# Altium PCB PicoPrint-Alt1.PcbDoc (part 2 of 3)
Units mm, origin at the board's own origin, x right, y up, seen from the top; angles counter-clockwise.
Board outline 111 x 64 mm, 4 copper layers (Component Side, Ground Plane, Power Plane, Solder Side), stack 0.844 mm thick; 229 components, 197 nets, 1693 pads, 420 vias.
Unrouted connection lines stored in the file: 278.
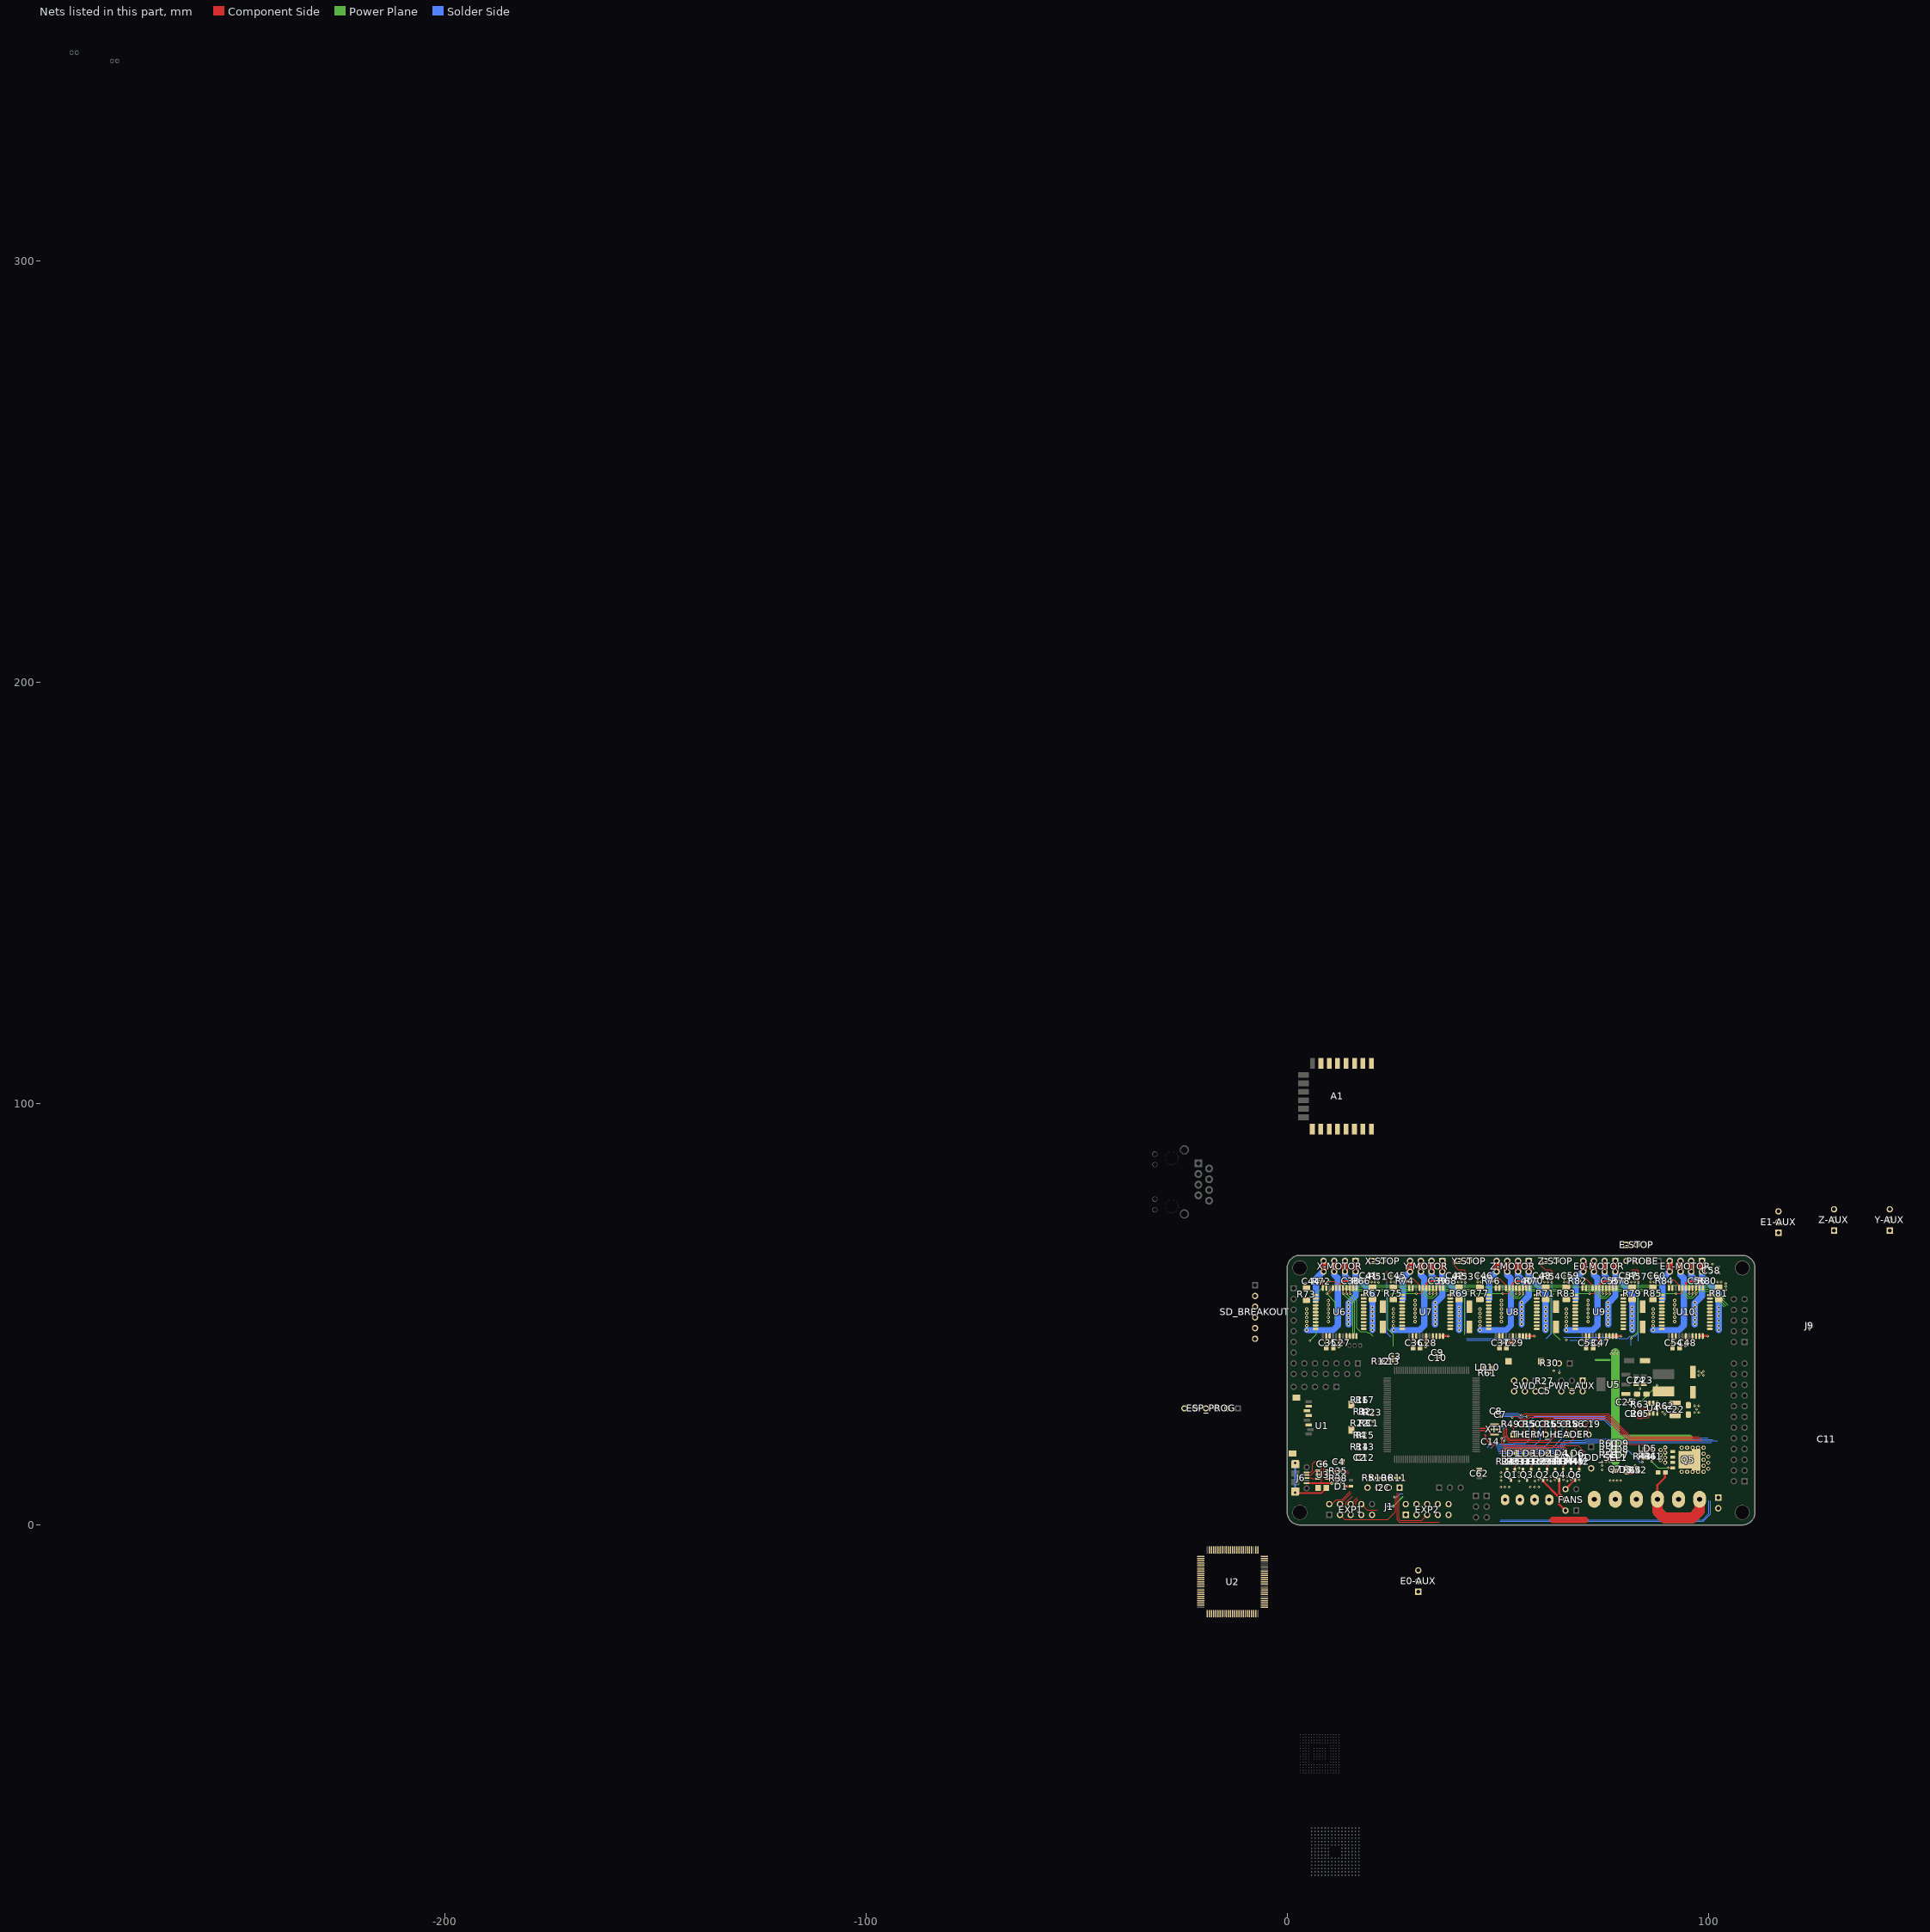
[diagram p4: the nets of this part, all layers, seen from the top]

## Via types
v1: diameter 0.6, hole 0.3, Component Side to Solder Side, tented both sides, 208 vias
v2: diameter 0.8, hole 0.4, Component Side to Solder Side, tented both sides, 130 vias
v3: diameter 0.4, hole 0.2, Component Side to Solder Side, 72 vias
v4: diameter 1, hole 0.5, Component Side to Solder Side, tented both sides, 10 vias

## Nets (pads, with @x,y where several pads share a name; then routed paths per layer and width w, separated by ;. In a path a pad name is that pad's centre, name@x,y a point inside that pad or via, vN(x,y) a via of type N, cw(c..) or ccw(c..) an arc to the next point about the centre after c; other vN are vias at no path point) (continued)
BOOT0: BOOT1.2 R30.2 SWD.6 U2.94 | length 2.8
  Component Side w0.2: R30.2@62.378,38.913 BOOT1.2@64.058,38.913
  Solder Side w0.2: SWD.6@53.576,32.013 SWD.6@53.863,31.726 ; BOOT1.2@64,37.943 BOOT1.2@64.514,38.457
BTN_EN1: EXP2.5 U2.87 | length 13.4
  Component Side w0.2: 26.48,7.493 26.48,1.47 26.82,1.13 31.934,1.13 EXP2.5@33.214,2.41
BTN_EN2: EXP2.3 U2.81
BTN_ENC: EXP1.2 U2.79 | length 6.3
  Component Side w0.2: EXP1.2@9.973,4.95 10.6,4.95 11.65,6 13.006,6 15.006,8
E0_CS: E0-AUX.3 U2.42 U9.18 | length 21.2
  Component Side w0.2: v1@71.757,54.95 72.834,54.95 73.272,55.388 U9.18@73.272,56.245
  Power Plane w0.2: 62.674,45.526 62.674,54.274 63.327,54.927 ; 63.174,45.526 64.75,43.95 ; 65.327,54.927 v1(71.734,54.927)
  Solder Side w0.2: 66.25,43.65 v1(66.25,43.95)
E0_DIR: E0-AUX.2 U2.37 U9.41 | length 8.2
  Solder Side w0.2: 67.15,43.85 75.388,43.85 ; 76.581,42.655 76.581,42.658
E0_MOT_1A: E0-MOTOR.3 E0-MOTOR.4 U9.5 U9.6 U9.10 U9.11 | length 19.3
  Component Side w1.5: E0-MOTOR.4@75.332,60.228 E0-MOTOR.3@75.332,62.668
  Solder Side w1.5: E0-MOTOR.3@75.332,62.768 E0-MOTOR.3@75.332,62.668 E0-MOTOR.4@75.332,60.128 75.332,59.128 77.882,56.578 77.882,54.356 76.18,52.654 v2(76.18,51.752) v2(76.18,50.736) v2(76.18,49.72) v2(76.18,48.704) v2(76.18,47.654)
  other v2: 76.18,52.752
E0_MOT_1B: E0-MOTOR.1 E0-MOTOR.2 U9.2 U9.3 U9.7 U9.8 | length 20.6
  Component Side w1.5: E0-MOTOR.2@77.872,60.228 E0-MOTOR.1@77.872,62.668
  Solder Side w1.5: E0-MOTOR.1@77.872,62.768 E0-MOTOR.1@77.872,62.668 E0-MOTOR.2@77.872,60.128 77.872,59.001 81.88,54.992 v2(81.88,51.623) v2(81.88,50.623) v2(81.88,49.593) v2(81.88,48.45) v2(81.88,47.307) v2(81.88,46.254)
E0_MOT_2A: E0-MOTOR.5 E0-MOTOR.6 U9.26 U9.27 U9.31 U9.32 | length 26
  Component Side w1.5: E0-MOTOR.6@72.792,60.228 E0-MOTOR.5@72.792,62.668
  Solder Side w1.5: v2(66.28,46.254) 72.511,46.254 73.63,47.373 73.63,58.544 72.792,59.382 E0-MOTOR.6@72.792,60.128 E0-MOTOR.5@72.792,62.668 E0-MOTOR.5@72.792,62.768
  other v2: 66.28,47.254 66.28,48.254 66.28,49.254 66.28,50.254 66.28,51.254
E0_MOT_2B: E0-MOTOR.7 E0-MOTOR.8 U9.23 U9.24 U9.28 U9.29 | length 12.3
  Component Side w1.5: E0-MOTOR.8@70.252,60.228 E0-MOTOR.7@70.252,62.668
  Solder Side w1.5: 68.484,53.657 68.484,58.46 70.202,60.178 70.252,60.228 E0-MOTOR.7@70.252,62.668 E0-MOTOR.7@70.252,62.768
  other v2: 71.405,48.276 71.405,49.276 71.405,50.276 71.405,51.276 71.405,52.276 71.405,53.276
E0_STEP: E0-AUX.1 U2.36 U9.42
E1_CS: E1-AUX.3 U2.35 U10.18 | length 22.2
  Component Side w0.2: v1@92.299,54.95 93.376,54.95 93.814,55.388 U10.18@93.814,56.245
  Power Plane w0.2: v1(81.65,44.3) 81.65,44.344 83.216,45.91 83.216,54.292 83.851,54.927 ; 85.851,54.927 v1(92.276,54.927)
  Solder Side w0.2: 81.65,42.65 v1(81.65,44.3)
E1_DIR: E1-AUX.2 U2.34 U10.41
E1_MOT_1A: E1-MOTOR.3 E1-MOTOR.4 U10.5 U10.6 U10.10 U10.11 | length 19.3
  Component Side w1.5: E1-MOTOR.4@95.874,60.228 E1-MOTOR.3@95.874,62.668
  Solder Side w1.5: E1-MOTOR.3@95.874,62.768 E1-MOTOR.3@95.874,62.668 E1-MOTOR.4@95.874,60.128 95.874,59.128 98.424,56.578 98.424,54.356 96.722,52.654 v2(96.722,51.752) v2(96.722,50.736) v2(96.722,49.72) v2(96.722,48.704) v2(96.722,47.654)
  other v2: 96.722,52.752
E1_MOT_1B: E1-MOTOR.1 E1-MOTOR.2 U10.2 U10.3 U10.7 U10.8 | length 20.6
  Component Side w1.5: E1-MOTOR.2@98.414,60.228 E1-MOTOR.1@98.414,62.668
  Solder Side w1.5: E1-MOTOR.1@98.414,62.768 E1-MOTOR.1@98.414,62.668 E1-MOTOR.2@98.414,60.128 98.414,59.001 102.422,54.992 v2(102.422,51.623) v2(102.422,50.623) v2(102.422,49.593) v2(102.422,48.45) v2(102.422,47.307) v2(102.422,46.254)
E1_MOT_2A: E1-MOTOR.5 E1-MOTOR.6 U10.26 U10.27 U10.31 U10.32 | length 26
  Component Side w1.5: E1-MOTOR.6@93.334,60.228 E1-MOTOR.5@93.334,62.668
  Solder Side w1.5: v2(86.822,46.254) 93.053,46.254 94.172,47.373 94.172,58.544 93.334,59.382 E1-MOTOR.6@93.334,60.128 E1-MOTOR.5@93.334,62.668 E1-MOTOR.5@93.334,62.768
  other v2: 86.822,47.254 86.822,48.254 86.822,49.254 86.822,50.254 86.822,51.254
E1_MOT_2B: E1-MOTOR.7 E1-MOTOR.8 U10.23 U10.24 U10.28 U10.29 | length 12.3
  Component Side w1.5: E1-MOTOR.8@90.794,60.228 E1-MOTOR.7@90.794,62.668
  Solder Side w1.5: 89.026,53.657 89.026,58.46 90.744,60.178 90.794,60.228 E1-MOTOR.7@90.794,62.668 E1-MOTOR.7@90.794,62.768
  other v2: 91.947,48.276 91.947,49.276 91.947,50.276 91.947,51.276 91.947,52.276 91.947,53.276
E1_STEP: E1-AUX.1 U2.33 U10.42
E2_CS: U2.9 | length 50.3
  Component Side w0.2: v1(53.4,25.55) 53.6,25.75 54.7,25.75 55.3,25.15 57.149,25.15 57.582,25.584 75.879,25.584 81.063,20.4 98.213,20.4
  Solder Side w0.2: 50.645,25.77 53.18,25.77 v1(53.4,25.55)
E2_DIR: U2.8 | length 50.2
  Component Side w0.2: v1(56.9,25.75) 57.114,25.964 76.036,25.964 81.3,20.7 97.975,20.7
  Solder Side w0.2: 50.487,26.15 54.601,26.15 55.301,25.45 55.799,25.45 56.099,25.75 v1(56.9,25.75)
E2_STEP: U2.7 | length 50
  Component Side w0.2: v1(55.55,26.05) 56,26.05 56.333,26.383 76.154,26.383 81.537,21 97.738,21
  Solder Side w0.2: 50.35,26.55 54.739,26.55 55.239,26.05 v1(55.55,26.05)
E3_CS: U2.5 | length 58.1
  Component Side w0.2: v1(60.5,24.75) 60.954,25.204 75.722,25.204 80.825,20.1 98.337,20.1
  Solder Side w0.2: 47.55,18.4 48.857,19.707 49.195,19.707 ; 49.519,18.92 53.984,18.92 54.014,18.95 58.8,18.95 60.05,20.2 60.05,24.3 v1(60.5,24.75)
E3_DIR: U2.3 | length 59
  Solder Side w0.2: 48.32,18.295 49.304,19.279 ; 49.676,18.54 54.142,18.54 54.172,18.57 61.07,18.57 62.6,20.1 62.6,24.55 63.45,25.4 75.35,25.4 80.06,20.69 99.897,20.69
E3_STEP: U2.4 | length 32.5
  Component Side w0.2: 48.51,18.46 49.45,19.4
  Solder Side w0.2: 49.45,19.3 53.827,19.3 53.857,19.33 56.53,19.33 57.4,20.2 57.4,24.4 58.78,25.78 75.507,25.78
E4_CS: U2.2 | length 57.8
  Solder Side w0.2: 49.833,18.16 54.299,18.16 54.329,18.19 62.803,18.19 65.3,20.687 65.3,23.82 66.5,25.02 75.192,25.02 79.902,20.31 100.965,20.31
E4_DIR: U2.1 | length 53.4
  Solder Side w0.2: 49.991,17.78 54.457,17.78 54.487,17.81 63.585,17.81 65.855,20.08 70.6,20.08 70.872,20.352 79.323,20.352 79.745,19.93 102.12,19.93
E4_STEP: U2.98 | length 51.7
  Solder Side w0.2: 50.148,17.4 54.614,17.4 54.644,17.43 63.743,17.43 66.013,19.7 70.847,19.7 71.119,19.972 79.165,19.972 79.587,19.55 100.65,19.55
E_STOP: R57.1 U2.38 | length 33.3
  Component Side w0.2: v1(83.342,57.6) R57.1@83.342,58.5
  Solder Side w0.2: 65.537,44.55 78.436,44.55 78.736,44.25 80.751,44.25 81.401,44.9 82.642,44.9 83.342,45.6 ; 83.342,43.658 83.342,45.6 ; v1(83.342,57.6) 83.342,45.6
ESP_ADC: A1.2
ESP_DATA_RDY: A1.18 R23.2
ESP_EN: A1.3 R13.1 U2.77
ESP_GPIO5: A1.20 ESP_PROG.6
ESP_GPIO16: A1.4
ESP_RST: A1.1 ESP_PROG.3 R14.1 U2.78
ESP_RX: R16.2 U2.69
ESP_RXD0: A1.21 ESP_PROG.4 R17.1
ESP_SPI_CS: A1.16 R22.2 U2.51
ESP_TX: R17.2 U2.68
ESP_TXD0: A1.22 ESP_PROG.5 R16.1
F0_PWM: R26.1 R28.2 R29.1 U2.60 | length 17.8
  Component Side w0.2: 50.62,17.324 51.396,18.1 62.1,18.1 62.7,17.5 62.7,16.322 R26.1@61.991,15.613 R29.1@60.721,15.613 60.451,15.613 R28.2@59.451,14.613
F1_PWM: R34.1 R36.2 R37.1 U2.23 | length 27.7
  Component Side w0.2: v1(50.9,20.5) 50.85,20.45 50.85,19.295 51.665,18.48 65.868,18.48 66.4,17.948 66.4,16.212 R34.1@65.801,15.613 R37.1@64.531,15.613 64.261,15.613 R36.2@63.261,14.613
  Solder Side w0.2: v1@50.975,20.425 51.35,20.8 51.35,25.1
F2_PWM: R42.1 R44.2 R45.1 U2.24 | length 29.9
  Component Side w0.2: v1@51.4,19.7 51.4,19.283 51.823,18.86 69.09,18.86 70.4,17.55 70.4,16.402 R42.1@69.611,15.613 R45.1@68.341,15.613 68.071,15.613 R44.2@67.071,14.613
  Solder Side w0.2: v1@51.4,19.7 51.4,20.05 51.73,20.38 51.73,24.13
  other v1: 51.45,19.9
GND: A1.15 C1.1 C2.1 C3.1 C4.1 C5.1 C6.1 C7.1 C8.1 C9.1 C10.1 C11.1 C12.1 C13.1 C14.1 C15.1 C16.1 C18.1 C19.1 C21.2 C22.1 C23.1 C24.1 C25.1 C26.2 C27.1 C28.1 C29.1 C30.1 C31.2 C32.1 C33.2 C34.1 C38.1 C39.1 C40.1 C41.1 C42.1 C43.1 C44.1 C45.1 C46.1 C47.1 C48.1 C49.1 C50.2 C51.1 C52.2 C55.1 C56.1 C57.1 C58.1 C59.1 C60.1 C62.1 D4.A E-STOP.2 ESP_PROG.2 EXP1.9 EXP2.9 I2C.2 J6.GND L1.2 LD1.2 LD2.2 LD3.2 LD4.2 LD5.2 LD6.2 LD7.2 LD8.2 LD9.2 LD10.2 MAIN-PWR1.1 PROBE.2 PS_ON.2 PWR_AUX.2 PWR_AUX.4 PWR_AUX.6 Q1.2 Q2.2 Q3.2 Q4.2 Q6.2 R22.1 R23.1 R25.2 R29.2 R30.1 R33.2 R37.2 R45.2 R46.2 R52.1 R64.1 R65.1 R67.1 R69.1 R71.1 R73.1 R75.1 R77.1 R79.1 R81.1 R83.1 R85.1 S1.2 SD_BREAKOUT.2 SWD.5 THERM_HEADER.2 THERM_HEADER.4 THERM_HEADER.6 THERM_HEADER.8 U1.6 U1.CD2 U1.MT1 U1.MT2 U2.10 U2.20 U2.27 U2.49 U2.74 U2.99 U3.2 U4.2 U5.GND U6.17 U6.21 U6.39 U6.43 U6.44 U7.17 U7.21 U7.39 U7.43 U7.44 U8.17 U8.21 U8.39 U8.43 U8.44 U9.17 U9.21 U9.39 U9.43 U9.44 U10.17 U10.21 U10.39 U10.43 U10.44 X-STOP.2 XT1.2 Y-STOP.2 Z-STOP.2 | length 79.9
  Component Side w0.2: U3.2@7.25,11.95 8.15,11.95 8.2,12 ; 8.2,9.95 8.2,12 ; C6.1@8.2,14.5 8.2,12 ; v1@57.5,16.35 57.761,16.611 LD3.2@57.761,17.018 ; v1(60.4,31.213) 61.325,31.213 C5.1@61.2,31.338 ; v1(60.8,16.45) 61.25,16.45 61.571,16.771 LD2.2@61.571,17.018 ; LD7.2@79.821,16.58 LD8.2@79.821,17.98 LD9.2@79.821,19.38 81.008,19.38 81.203,19.184 85.416,19.184 LD5.2@86.45,18.15 ; R65.1@83.793,25.798 83.993,25.798 84.359,26.164 v1(84.75,26.164)
  Component Side w0.25: THERM_HEADER.2@56.276,21.463 56.276,22.804 ; THERM_HEADER.4@61.356,21.463 61.356,22.804 ; THERM_HEADER.6@66.436,21.463 66.436,22.804 ; THERM_HEADER.8@71.516,21.463 71.516,22.804 ; R64.1@82,13.55 v1@82.6,14.15 ; v1(82.6,14.1) v1@82.6,14.15 ; R52.1@83.2,13.55 82.625,14.125 v1@82.6,14.15 ; R46.2@85.595,16.81 85.595,17.295 LD5.2@86.45,18.15
  Component Side w0.3: C13.1@25.058,38.864 v1(25.058,39.445) C3.1@25.058,40.026 C3.1@25.158,40.026 ; C10.1@35.99,39.494 36.216,39.72 v1(36.216,40.28) 36.216,40.846 C9.1@36.24,40.87 ; 46.797,21.46 47.09,21.167 47.09,20.424 C14.1@48.164,19.35 ; 47.7,19.35 C14.1@48.164,19.35 ; C14.1@48.21,19.32 48.194,19.32 C14.1@48.164,19.35 ; XT1.2@48.906,22.71 50.19,22.71
  Component Side w0.4: J6.GND@4.6,9.9 5.8,9.9 5.85,9.95 8.2,9.95 v2(10.6,9.95) ; U6.39@12.446,44.845 U6.39@12.446,44.909 ; U6.17@12.446,56.245 12.446,57.34 13.018,57.912 C38.1@14.613,57.912 ; U7.39@32.988,44.845 U7.39@32.988,44.909 ; U7.17@32.988,56.245 32.988,57.34 33.559,57.912 C39.1@35.155,57.912 ; U8.39@53.45,44.765 U8.39@53.53,44.845 ; U8.17@53.53,56.245 53.53,57.34 54.102,57.912 C40.1@55.697,57.912 ; U9.39@74.072,44.845 U9.39@74.072,44.909 ; U9.17@74.072,56.245 74.072,57.34 74.643,57.912 C55.1@76.239,57.912 ; U10.39@94.614,44.845 U10.39@94.614,44.909 ; U10.17@94.614,56.245 94.614,57.34 95.185,57.912 C56.1@96.781,57.912 ; U8.39@53.53,44.845 53.53,44.909 U8.39@53.53,44.845
  Component Side w0.5: v2(12.3,42.4) 12.3,43.216 C27.1@12.327,43.243 ; C27.1@12.365,43.243 12.446,43.324 U6.39@12.446,44.845 ; v2(32.842,42.4) 32.842,43.216 C28.1@32.869,43.243 ; C28.1@32.907,43.243 32.988,43.324 U7.39@32.988,44.845 ; U7.43@36.188,44.845 U7.44@36.988,44.845 38.153,44.845 v1(38.158,44.85) ; v1(52.68,43.26) 52.697,43.243 C29.1@53.357,43.243 ; C29.1@53.32,43.28 C29.1@53.357,43.243 ; C29.1@53.411,43.243 C29.1@53.357,43.243 ; C29.1@53.449,43.243 53.53,43.324 U8.39@53.53,44.845 ; U8.43@56.73,44.845 U8.44@57.53,44.845 58.695,44.845 v1(58.7,44.85) ; v1(73.926,42.6) 73.926,43.216 C47.1@73.953,43.243 ; C47.1@73.991,43.243 74.072,43.324 U9.39@74.072,44.845 ; U9.43@77.272,44.845 U9.44@78.072,44.845 79.237,44.845 v1(79.242,44.85) ; C24.1@82.937,33.476 C24.1@83.074,33.614 ; v1@94.468,42.4 v1(94.468,42.45) 94.468,43.216 C48.1@94.495,43.243 ; C48.1@94.533,43.243 94.614,43.324 U10.39@94.614,44.845 ; U10.43@97.814,44.845 U10.44@98.614,44.845 99.779,44.845 v1(99.784,44.85)
  other v1: 54.999,10.462 58.809,10.462 62.619,10.462 66.429,10.462 50.7,10.5 54.999,11.462 58.809,11.462 62.619,11.462 66.429,11.462 50.7,11.5 54.999,12.462 50.7,12.5 54.999,13.462 57.55,16.35 55,16.4 65.65,17.85 68.3,18 89.6,26.214 89.1,26.814 90.1,26.814 91.447,27.455 92.082,27.455 92.717,27.455 82.4,28.914 82.4,29.714 83.75,32.414 97.679,35.569 98.822,35.569 98.25,36.014 97.679,36.458 98.822,36.458 104.139,55.882 104.139,56.601 104.138,57.319 3.683,57.367 4.381,57.367 13.335,57.594 33.877,57.594 54.419,57.594 74.961,57.594 95.503,57.594 20.008,57.704 20.808,57.704 24.642,57.704 25.442,57.704 40.55,57.704 41.35,57.704 45.184,57.704 45.984,57.704 61.092,57.704 61.892,57.704 65.726,57.704 66.526,57.704 81.634,57.704 82.434,57.704 86.268,57.704 87.068,57.704 102.176,57.704 102.976,57.704 20.801,58.402 24.642,58.402 41.343,58.402 45.184,58.402 61.885,58.402 65.726,58.402 82.427,58.402 86.268,58.402 20.801,59.101 24.642,59.101 41.343,59.101 45.184,59.101 61.885,59.101 65.726,59.101 82.427,59.101 86.268,59.101 24.642,59.799 45.184,59.799 65.726,59.799 86.268,59.799 20.8,59.82 41.342,59.82 61.884,59.82 82.426,59.82 100.964,61.912
H0_PWM: R21.1 R24.2 R25.1 U2.62 | length 4.6
  Component Side w0.2: 50.175,14.613 R24.2@51.831,14.613 52.831,15.613 R25.1@53.101,15.613 R21.1@54.371,15.613
H1_PWM: R31.1 R32.2 R33.1 U2.61 | length 15
  Component Side w0.2: v1@50.8,15.85 51,16.05 51,17.167 51.551,17.718 51.848,17.718 51.85,17.72 58.63,17.72 59.05,17.3 59.05,16.201 58.462,15.613 R31.1@58.181,15.613 R33.1@56.911,15.613 56.641,15.613 R32.2@55.641,14.613
  other v1: 50.8,15.7
HB_GND: C17.1 HB-PWR1.1 Q5.3 R52.2
  other v4: 89.7,14.8 88.6,15.4 89.7,16 88.6,16.6 89.7,17.2 88.6,17.8 89.7,18.4
HB_PWM: R41.1 R43.2 R46.1 U2.59 | length 40.9
  Component Side w0.2: v1(84.3,14.9) 84.3,15.785 R43.2@84.325,15.81 R46.1@85.595,15.81 86.595,16.81 R41.1@86.865,16.81
  Solder Side w0.2: 50.306,17.02 54.771,17.02 54.801,17.05 63.95,17.05 66.22,19.32 71.005,19.32 71.277,19.592 79.008,19.592 83.7,14.9 v1(84.3,14.9)
KILL: EXP2.10 U2.86 | length 16.6
  Component Side w0.2: 26.1,7.65 26.1,1.313 26.663,0.75 36.15,0.75
LCD_D4: EXP1.5 U2.82 | length 5.5
  Component Side w0.2: EXP1.5@15.053,2.41 14,3.463 14,5.382 15.478,6.86
LCD_D5: EXP1.6 U2.83 | length 2.2
  Component Side w0.2: EXP1.6@15.053,4.95 16.583,6.48
LCD_D6: EXP1.7 U2.84 | length 4.4
  Component Side w0.2: 16.85,6.1 16.36,5.61 16.36,3.643 EXP1.7@17.593,2.41
LCD_D7: EXP1.8 U2.85 | length 4.4
  Component Side w0.2: EXP1.8@17.593,4.95 18.943,3.6 21.462,3.6
LCD_EN: EXP1.3 U2.88 | length 20.4
  Component Side w0.2: EXP1.3@12.53,2.41 EXP1.3@12.513,2.41 13.623,1.3 23.85,1.3 25.7,3.15 25.7,6.45 v1(25.45,6.7)
  Solder Side w0.2: v1@25.5,6.75 v1(25.45,6.7) 26.1,6.7 26.8,7.4 27.45,7.4
LCD_RS: EXP1.4 U2.80 | length 3.9
  Component Side w0.2: EXP1.4@12.513,4.95 12.513,5.163 12.97,5.62 13.163,5.62 15.163,7.62
MPU_TFR_RDY: A1.19
NetA1_17: A1.17 R15.1
NetC2_2: C2.2 U2.73
NetC3_2: C3.2 U2.48
NetC20_1: C20.1 D4.K L2.1 U4.6 | length 10.8
  Component Side w0.25: C20.1@82.4,26.714 C20.1@82.4,26.764 ; C20.1@82.4,26.864 v1(82.4,27.814) ; L2.1@87.8,31.114 v1(87.8,33.214)
  Power Plane w0.25: v1@82.4,27.714 87.8,33.114 v1(87.8,33.214)
NetC20_2: C20.2 U4.1 | length 4.5
  Component Side w0.2: C20.2@82.4,25.764 82.839,25.764 83.304,25.298 84.183,25.298 84.398,25.514 85.7,25.514 85.893,25.707 U4.1@85.893,26.312
  Component Side w0.25: U4.1@85.893,26.312 U4.1@85.925,26.28
NetC35_1: C35.1 U6.35 | length 1.5
  Component Side w0.4: C35.1@9.246,43.337 U6.35@9.246,44.845
NetC36_1: C36.1 U7.35 | length 1.5
  Component Side w0.4: C36.1@29.788,43.337 U7.35@29.788,44.845
NetC37_1: C37.1 U8.35 | length 1.5
  Component Side w0.4: C37.1@50.33,43.337 U8.35@50.33,44.845
NetC38_2: C38.2 U6.13 | length 1.6
  Component Side w0.4: U6.13@15.646,56.245 C38.2@15.646,57.878
NetC39_2: C39.2 U7.13 | length 1.6
  Component Side w0.4: U7.13@36.188,56.245 C39.2@36.188,57.878
NetC40_2: C40.2 U8.13 | length 1.6
  Component Side w0.4: U8.13@56.73,56.245 C40.2@56.73,57.878
NetC41_2: C41.2 R66.2 R67.2 U6.9
NetC42_2: C42.2 R68.2 R69.2 U7.9
NetC43_2: C43.2 R70.2 R71.2 U8.9
NetC44_2: C44.2 R72.2 R73.2 U6.25 | length 1.4
  Component Side w0.25: C44.2@6.215,57.848 R72.2@7.628,57.848
NetC45_2: C45.2 R74.2 R75.2 U7.25
NetC46_2: C46.2 R76.2 R77.2 U8.25
NetC53_1: C53.1 U9.35 | length 1.5
  Component Side w0.4: C53.1@70.872,43.337 U9.35@70.872,44.845
NetC54_1: C54.1 U10.35 | length 1.5
  Component Side w0.4: C54.1@91.414,43.337 U10.35@91.414,44.845
NetC55_2: C55.2 U9.13 | length 1.6
  Component Side w0.4: U9.13@77.272,56.245 C55.2@77.272,57.878
NetC56_2: C56.2 U10.13 | length 1.6
  Component Side w0.4: U10.13@97.814,56.245 C56.2@97.814,57.878
NetC57_2: C57.2 R78.2 R79.2 U9.9
NetC58_2: C58.2 R80.2 R81.2 U10.9
NetC59_2: C59.2 R82.2 R83.2 U9.25
NetC60_2: C60.2 R84.2 R85.2 U10.25
NetD1_3: D1.3 F2.2 | length 1.3
  Component Side w0.5: D1.3@13.75,9.2 F2.2@15,9.2
NetD3_A: D3.A Q7.3 R64.2 | length 4.2
  Component Side w0.2: Q7.3@78.725,13.85 79.3,13.85 80.5,12.65 D3.A@80.5,12.25
  Component Side w0.5: D3.A@80.6,12.25 81.7,12.25 R64.2@82,12.55
NetE-STOP_1: E-STOP.1 R57.2 | length 2.5
  Component Side w0.2: 81.726,60.6 83.026,60.6 83.326,60.3 R57.2@83.326,59.5
NetF1_1: F1.1 J9.2 | length 2.2
  Component Side w0.4: 123.638,47.792 123.638,46.792 v1(123.938,46.492)
  Solder Side w0.4: v1(123.938,46.492) J9.2@123.938,47.292
NetFANS_2: FANS.2 Q2.3 | length 9.6
  Component Side w0.5: Q2.3@60.721,10.788 60.721,10.379 64.5,6.6 64.5,4.984 FANS.2@66.055,3.429
  other v1: 59.737,10.75 61.705,10.75
NetFANS_4: FANS.4 Q4.3 | length 5.4
  Component Side w0.5: Q4.3@64.531,10.788 64.531,7.531 FANS.4@66.055,6.007
  other v1: 63.547,10.75 65.515,10.75
NetFANS_6: FANS.6 Q6.3 | length 3.2
  Component Side w0.5: FANS.6@66.062,8.509 Q6.3@68.341,10.788
  other v1: 67.357,10.75 69.325,10.75
NetHB-OUT1_1: HB-OUT1.1 Q5.2
  other v4: 99.95,13.357 99.95,14.786 99.95,16.215
NetHE0_2: HE0.2 Q1.3
  other v1: 50.705,9 51.705,9 52.705,9
NetHE1_2: HE1.2 Q3.3
  other v1: 57.705,9 58.705,9 59.705,9
NetI2C_1: I2C.1 J1.2 | length 4.2
  Power Plane w0.4: v1(25.1,4.4) 27.4,6.7
  Solder Side w0.4: J1.2@24.2,4.418 25.082,4.418 v1(25.1,4.4)
NetJ6_SHIELD: J6.SHIELD L1.1 | length 15.8
  Component Side w0.2: J6.SHIELD@1.9,14.7 J6.SHIELD@2.7,14.7
  Component Side w0.4: J6.SHIELD@1.9,7.7 1.9,7.575 8.091,7.575 9.25,8.734 L1.1@9.25,8.8
  Solder Side w0.4: J6.SHIELD@1.9,7.7 J6.SHIELD@1.9,14.7
NetLD1_1: LD1.1 R24.1 | length 1.6
  Component Side w0.2: R24.1@51.831,15.613 51.831,16.131 52.251,16.551 LD1.1@52.251,17.018
NetLD2_1: LD2.1 R28.1 | length 1.6
  Component Side w0.2: R28.1@59.451,15.613 59.451,16.131 59.871,16.551 LD2.1@59.871,17.018
NetLD3_1: LD3.1 R32.1 | length 1.6
  Component Side w0.2: R32.1@55.641,15.613 55.641,16.131 56.061,16.551 LD3.1@56.061,17.018
NetLD4_1: LD4.1 R36.1 | length 1.6
  Component Side w0.2: R36.1@63.261,15.613 63.261,16.131 63.681,16.551 LD4.1@63.681,17.018
NetLD5_1: LD5.1 R43.1 | length 1.6
  Component Side w0.2: R43.1@84.325,16.81 84.325,17.795 LD5.1@84.745,18.215
NetLD6_1: LD6.1 R44.1 | length 1.6
  Component Side w0.2: R44.1@67.071,15.613 67.071,16.131 67.491,16.551 LD6.1@67.491,17.018
NetLD7_1: LD7.1 R58.1 | length 1.3
  Component Side w0.2: R58.1@76.821,16.58 LD7.1@78.121,16.58
NetLD8_1: LD8.1 R59.1 | length 1.3
  Component Side w0.2: R59.1@76.821,17.98 LD8.1@78.121,17.98
NetLD9_1: LD9.1 R60.1 | length 1.3
  Component Side w0.2: R60.1@76.821,19.38 LD9.1@78.121,19.38
NetLD10_1: LD10.1 R61.1 | length 1.8
  Component Side w0.2: LD10.1@46.761,37.388 R61.1@48.061,36.088
NetMAIN-PWR1_2: MAIN-PWR1.2 Q7.1
  other v1: 76.7,10.5 77.5,10.5 78.3,10.5 79.1,10.5
NetQ1_1: Q1.1 R21.2 | length 1.7
  Component Side w0.25: Q1.1@54.051,13.088 54.051,13.851 54.371,14.171 R21.2@54.371,14.613
NetQ2_1: Q2.1 R26.2 | length 1.7
  Component Side w0.25: Q2.1@61.671,13.088 61.671,13.851 61.991,14.171 R26.2@61.991,14.613
NetQ3_1: Q3.1 R31.2 | length 1.7
  Component Side w0.25: Q3.1@57.861,13.088 57.861,13.851 58.181,14.171 R31.2@58.181,14.613
NetQ4_1: Q4.1 R34.2 | length 1.7
  Component Side w0.25: Q4.1@65.481,13.088 65.481,13.851 65.801,14.171 R34.2@65.801,14.613
NetQ5_1: Q5.1 R41.2 | length 6.5
  Component Side w0.2: v1(86.5,15.1) 86.5,15.3 86.865,15.665 R41.2@86.865,15.81 ; v1(90.4,13.6) 90.405,13.595 Q5.1@91.5,13.595
  Power Plane w0.2: v1(86.5,15.1) 88,13.6 v1(90.4,13.6)
NetQ6_1: Q6.1 R42.2 | length 1.7
  Component Side w0.25: Q6.1@69.291,13.088 69.291,13.851 69.611,14.171 R42.2@69.611,14.613
NetR3_1: R3.1 R4.2 U1.CD1
NetR10_1: R10.1 U2.95
NetR11_1: R11.1 U2.96
NetR35_1: R35.1 U3.6 | length 2
  Component Side w0.4: U3.6@9.625,12.9 R35.1@11.6,12.9
NetR38_1: R38.1 U3.4 | length 2
  Component Side w0.4: U3.4@9.6,11 R38.1@11.6,11
NetR51_2: R51.2 X-STOP.1 | length 0.8
  Component Side w0.2: 23.7,59.5 23.7,60.3
NetR53_2: R53.2 Y-STOP.1 | length 5.2
  Component Side w0.2: 39.328,62.768 39.328,61.914 40.642,60.6 41.942,60.6 42.242,60.3 R53.2@42.242,59.5
NetR54_2: R54.2 Z-STOP.1 | length 5.2
  Component Side w0.2: 59.87,62.768 59.87,61.914 61.184,60.6 62.484,60.6 62.784,60.3 R54.2@62.784,59.5
NetR62_2: R62.2 U4.4 | length 2.1
  Component Side w0.5: U4.4@87.825,28.63 88.746,27.709 R62.2@89.542,27.709
NetR63_1: R63.1 R65.2 U4.3 | length 6.3
  Component Side w0.2: R65.2@83.793,26.748 R65.2@83.793,26.898 83.793,27.207 ; R63.1@83.793,28.034 83.793,27.328 ; U4.3@87.825,26.28 U4.3@87.825,26.53 87.825,27.14 87.451,27.514 84,27.514 83.814,27.328 ; 83.793,27.328 83.814,27.328 ; 83.793,27.328 83.793,27.307 83.814,27.328
NetR66_1: R66.1 U6.12 | length 1.9
  Component Side w0.2: U6.12@16.446,56.245 16.446,57.268 R66.1@17.09,57.912
NetR68_1: R68.1 U7.12 | length 1.9
  Component Side w0.2: U7.12@36.988,56.245 36.988,57.268 R68.1@37.631,57.911
NetR70_1: R70.1 U8.12 | length 1.9
  Component Side w0.2: U8.12@57.53,56.245 57.53,57.268 R70.1@58.174,57.912
NetR72_1: R72.1 U6.22 | length 1.7
  Component Side w0.25: U6.22@8.446,56.245 8.446,57.666 R72.1@8.628,57.848
NetR74_1: R74.1 U7.22 | length 1.9
  Component Side w0.2: R74.1@28.408,57.911 28.988,57.331 U7.22@28.988,56.245
NetR76_1: R76.1 U8.22 | length 1.9
  Component Side w0.2: R76.1@48.95,57.911 49.53,57.331 U8.22@49.53,56.245
NetR78_1: R78.1 U9.12 | length 1.9
  Component Side w0.2: U9.12@78.072,56.245 78.072,57.268 R78.1@78.715,57.911
NetR80_1: R80.1 U10.12 | length 1.9
  Component Side w0.2: U10.12@98.614,56.245 98.614,57.268 R80.1@99.258,57.912
NetR82_1: R82.1 U9.22 | length 1.9
  Component Side w0.2: R82.1@69.492,57.911 70.072,57.331 U9.22@70.072,56.245
NetR84_1: R84.1 U10.22 | length 1.9
  Component Side w0.2: R84.1@90.034,57.911 90.614,57.331 U10.22@90.614,56.245
NetU2_12: U2.12 XT1.3 | length 3.4
  Component Side w0.3: 45.84,22.46 47.62,22.46 48.58,21.5 XT1.3@48.8,21.5
NetU2_13: U2.13 XT1.1 | length 3.1
  Component Side w0.3: 45.84,22.96 47.65,22.96 XT1.1@48.59,23.9
NRST: C5.2 EXP2.8 R27.1 S1.1 SWD.4 U2.14 | length 1.4
  Component Side w0.2: SWD.4@56.403,31.726 SWD.4@56.538,31.726 ; C5.2@61.2,32.338 R27.1@61.2,33.638
PS_ON: PS_ON.1 U2.26 | length 0.9
  Component Side w0.2: v1@64.5,36.013 v1(64.658,36.171)
  Solder Side w0.2: v1(64.658,36.171) 64.658,36.896
SCL_1: I2C.4 R5.1 R10.2 | length 53.2
  Solder Side w0.2: 50.6,1.25 98.6,1.25 100.1,2.75 100.1,5.832
SD_CSEL: EXP2.4 U2.92
SD_DET: EXP2.7 U2.93
SDA_1: I2C.3 R6.1 R11.2 | length 53.8
  Solder Side w0.2: 50.443,0.87 98.757,0.87 100.48,2.593 100.48,5.675
SPI1_MISO: R2.1 SD_BREAKOUT.4 U1.7 U2.31
SPI1_MOSI: R1.1 SD_BREAKOUT.5 U1.3 U2.32
SPI1_SCK: SD_BREAKOUT.3 U1.5 U2.30
SPI2_MISO: A1.6 U2.53
SPI2_MOSI: A1.7 U2.54
SPI2_SCK: A1.5 U2.52
SPI3_MISO: EXP2.1 U2.90
SPI3_MOSI: EXP2.6 U2.91
SPI3_SCK: EXP2.2 U2.89
SPI4_MISO: U2.44 U6.14 U7.14 U8.14 U9.14 U10.14 | length 109.1
  Component Side w0.2: U6.14@14.846,56.245 14.846,55.003 v1(14.918,54.931) ; U7.14@35.388,56.245 35.388,55.003 v1(35.46,54.931) ; U8.14@55.93,56.245 55.93,55.003 v1(56.002,54.931) ; U9.14@76.472,56.245 76.472,55.003 v1(76.544,54.931) ; U10.14@97.014,56.245 97.014,55.003 v1(97.086,54.931)
  Power Plane w0.25: 20.25,44.9 19.565,45.585 19.173,45.585 18.853,45.905 17.295,45.905 16.5,46.7 16.5,53.349 v1(14.918,54.931) 14.918,55.368 15.102,55.552 29.662,55.552 ; 31.662,55.552 33.364,53.85 34.6,53.85 35.46,54.71 v1(35.46,54.931) 35.46,55.368 35.644,55.552 32.644,55.552 ; 36.644,55.552 48.204,55.552 ; 51.686,55.552 52.204,55.552 ; v1@56.002,54.71 55.142,53.85 53.906,53.85 52.204,55.552 ; v1(56.002,54.931) 56.002,55.368 56.186,55.552 52.204,55.552 ; 56.686,55.552 66.746,55.552 ; 70.728,55.552 72.746,55.552 ; v1@76.544,54.71 75.684,53.85 74.448,53.85 72.746,55.552 ; v1(76.544,54.931) 76.544,55.368 76.728,55.552 ; 85.288,55.552 76.728,55.552 ; 93.288,55.552 94.99,53.85 96.226,53.85 v1@97.086,54.71 ; v1(97.086,54.931) 97.655,55.5 99.977,55.5 103.651,51.826 ; 72.746,55.552 76.728,55.552
SPI4_MOSI: U2.45 U6.15 U7.15 U8.15 U9.15 U10.15 | length 108.3
  Component Side w0.2: U6.15@14.046,56.245 14.046,54.94 14.058,54.927 v1(14.097,54.927) ; U7.15@34.588,56.245 34.588,54.94 34.6,54.927 v1(34.639,54.927) ; U8.15@55.13,56.245 55.13,54.94 55.142,54.927 v1(55.181,54.927) ; U9.15@75.672,56.245 75.672,54.94 75.684,54.927 v1(75.723,54.927) ; U10.15@96.214,56.245 96.214,54.94 96.226,54.927 v1(96.265,54.927)
  Power Plane w0.25: 16.03,45.401 16.03,52.936 14.097,54.869 v1(14.097,54.927) 14.097,55.597 14.502,56.002 29.848,56.002 ; 31.848,56.002 33.55,54.3 34.25,54.3 34.639,54.689 v1(34.639,54.927) 34.639,55.597 35.044,56.002 32.044,56.002 ; 36.044,56.002 48.39,56.002 ; 51.086,56.002 52.39,56.002 ; v1@55.181,54.689 54.792,54.3 54.092,54.3 52.39,56.002 ; v1(55.181,54.927) 55.181,55.597 55.586,56.002 52.39,56.002 ; 56.086,56.002 66.932,56.002 ; 70.128,56.002 72.932,56.002 ; v1@75.723,54.689 75.334,54.3 74.634,54.3 72.932,56.002 ; v1(75.723,54.927) 75.723,55.597 76.128,56.002 ; 85.474,56.002 76.128,56.002 ; 93.474,56.002 95.176,54.3 95.876,54.3 v1@96.265,54.689 ; v1(96.265,54.927) 96.265,54.994 97.273,56.002 100.083,56.002 104.09,51.995 ; 72.932,56.002 76.128,56.002
SPI4_SCK: U2.43 U6.16 U7.16 U8.16 U9.16 U10.16 | length 110
  Component Side w0.2: U6.16@13.246,56.245 13.246,54.953 v1(13.271,54.927) ; U7.16@33.788,56.245 33.788,54.953 v1(33.813,54.927) ; U8.16@54.33,56.245 54.33,54.953 v1(54.356,54.927) ; U9.16@74.872,56.245 74.872,54.953 v1(74.897,54.927) ; U10.16@95.414,56.245 95.414,54.953 v1(95.439,54.927)
  Power Plane w0.25: 15.6,45.223 15.6,52.729 15.279,53.05 15.279,53.052 14.855,53.477 14.852,53.477 14.429,53.9 14.24,53.9 13.271,54.869 v1(13.271,54.927) 13.271,55.622 14.102,56.452 74.897,56.452 ; v1(33.813,54.927) 33.813,56.45 ; v1(54.356,54.927) 54.356,56.45 ; v1(74.897,54.927) 74.897,56.452 ; 86.524,56.452 74.897,56.452 ; v1(95.439,54.927) 95.439,55.536 94.524,56.452 100.248,56.452 104.52,52.18
STAT_LED: R61.2 U2.25
STEP_EN: R12.1 U2.97 U6.19 U7.19 U8.19 U9.19 U10.19 | length 116.9
  Component Side w0.2: v1(9.398,54.927) 10.033,54.927 10.846,55.74 U6.19@10.846,56.245 ; v1(29.6,58.4) 29.85,58.4 31.388,56.862 U7.19@31.388,55.74 ; v1(50.142,58.4) 50.392,58.4 51.93,56.862 U8.19@51.93,56.245 ; v1(70.684,58.4) 70.934,58.4 U9.19@72.472,56.862 ; U9.19@72.472,55.74 U9.19@72.472,56.245 ; v1(91.226,58.102) 91.774,58.102 U10.19@93.014,56.862 ; U10.19@93.014,55.74 U10.19@93.014,56.245
  Power Plane w0.2: v1(9.398,54.927) 11.45,52.875 11.45,48.8
  Power Plane w0.25: v1(9.398,54.927) 11.353,56.882 29,56.882 ; v1(29.6,58.4) 29.6,57.482 29,56.882 ; 45.542,56.882 29,56.882 ; 49.542,56.882 50.142,57.482 v1(50.142,58.4) ; 50.042,56.882 68.584,56.882 ; v1(70.684,58.4) 70.684,57.482 70.084,56.882 88.6,56.882 ; v1(91.226,58.102) 91.226,57.508 90.6,56.882 100.426,56.882 103.708,53.6
SWCLK: SWD.3 U2.76 | length 1.1
  Component Side w0.2: SWD.3@56.403,34.266 SWD.3@56.403,34.73
  Solder Side w0.2: SWD.3@56.403,33.616 SWD.3@56.403,34.266
SWDIO: SWD.2 U2.72
THERM0: C15.2 R49.1 THERM_HEADER.1 U2.18 | length 9
  Component Side w0.2: 51.112,24.5 52.109,23.503 R49.1@53.038,23.503
  Component Side w0.25: THERM_HEADER.1@53.736,21.463 53.736,22.804 R49.1@53.038,23.503 55.268,23.503 56.268,24.503 C15.2@56.975,24.503
THERM1: C16.2 R50.1 THERM_HEADER.3 U2.17 | length 17.8
  Component Side w0.2: 51.02,24.044 51.644,23.42 51.655,23.42 52.11,22.965 52.11,21.213 52.26,21.063 52.26,21.015 52.862,20.413 57.853,20.413 58.816,21.376 THERM_HEADER.3@58.816,21.463
  Component Side w0.25: R50.1@58.118,23.503 58.118,23.177 58.816,22.479 THERM_HEADER.3@58.816,21.463 ; R50.1@58.181,23.503 60.411,23.503 61.411,24.503 C16.2@61.991,24.503
  Solder Side w0.2: THERM_HEADER.3@58.45,21.463 THERM_HEADER.3@58.816,21.463
THERM2: C18.2 R55.1 THERM_HEADER.5 U2.16 | length 21.9
  Component Side w0.2: 51.497,23.04 51.73,22.807 51.73,21.056 51.88,20.906 51.88,20.857 52.704,20.033 62.466,20.033 THERM_HEADER.5@63.896,21.463
  Component Side w0.25: THERM_HEADER.5@63.896,21.463 63.896,22.479 63.198,23.177 R55.1@63.197,23.503 65.428,23.503 66.428,24.503 C18.2@67.071,24.503
THERM3: C19.2 R56.1 THERM_HEADER.7 U2.15 | length 27.3
  Component Side w0.2: 51.35,22.639 51.35,20.899 51.5,20.749 51.5,20.7 52.547,19.653 67.166,19.653 THERM_HEADER.7@68.976,21.463
  Component Side w0.25: R56.1@68.278,23.503 68.278,23.177 68.976,22.479 THERM_HEADER.7@68.976,21.463 ; R56.1@68.341,23.503 70.571,23.503 71.571,24.503 C19.2@72.215,24.503
USB_D_N: R35.2 U2.70 | length 1.9
  Component Side w0.2: R35.2@12.6,12.8 14.484,12.8
USB_D_P: R38.2 U2.71 | length 2.6
  Component Side w0.2: R38.2@12.6,11.1 13,11.1 14.3,12.4 14.65,12.4
USB_N: J6.D- U3.1 | length 3.2
  Component Side w0.2: J6.D-@4.7,11.95 J6.D-@4.6,11.85 5.65,11.85 6.7,12.9 U3.1@7.25,12.9
USB_P: J6.D+ U3.3 | length 2.7
  Component Side w0.2: J6.D+@4.6,11.2 5.7,11.2 5.9,11 U3.3@7.25,11
USD_CD: R4.1 SD_BREAKOUT.6 U2.67
VBUS: C6.2 D1.1 J6.VBUS U3.5 | length 15.7
  Component Side w0.25: J6.VBUS@4.6,12.5 5.593,12.5 6,12.907 6,14.6 6.475,15.075 8.511,15.075 C6.2@9,14.586 ; C6.2@9,14.5 9,13.775 8.625,13.4 8.625,12.175 8.85,11.95 U3.5@9.625,11.95 v1(11.55,11.95)
  Component Side w0.5: D1.1@11.85,9.85 12.75,9.85 v1(12.8,9.9)
  Solder Side w0.25: v1(11.55,11.95) 11.55,11.55 12.8,10.3 v1(12.8,9.9)
VIN: C21.1 C22.2 D2.K R62.1 U4.5
VIN1: C30.2 C31.1 C32.2 C33.1 C34.2 C35.2 C36.2 C37.2 C49.2 C50.1 C51.2 C52.1 C53.2 C54.2 D2.A D3.K FAN_VDD_SEL1.3 HE0.1 HE1.1 J2.3 PWR_AUX.1 Q7.4 R58.2 U6.1 U6.4 U6.30 U6.33 U6.36 U7.1 U7.4 U7.30 U7.33 U7.36 U8.1 U8.4 U8.30 U8.33 U8.36 U9.1 U9.4 U9.30 U9.33 U9.36 U10.1 U10.4 U10.30 U10.33 U10.36 | length 55.6
  Component Side w0.2: 75.821,15.421 R58.2@75.821,16.58
  Component Side w1.5: 63,1.2 70.7,1.2
  Power Plane w0.5: 73.25,39.114 76.55,39.114
  Power Plane w1.5: 77.9,20.7 95.5,20.7
  Power Plane w2: 77.9,15.1 77.9,20.7 77.9,40.936
  other v1: 74.7,13.1 74.7,14.1 74.7,15 75.6,15 76.5,15 77.4,15 96.7,26.714 97.7,26.714 97.2,27.514 96.7,28.314 97.7,28.314 76.9,40.62 77.7,40.62 78.5,40.62 77.3,41.32 78.1,41.32
VIN2: C17.2 HB-OUT1.2 HB-PWR1.2 | length 41.1
  Component Side w0.5: HB-PWR1.2@87.873,6.1 87.873,9.473 89.7,11.3 C17.2@89.7,12.25 ; C17.2@89.45,12.5 C17.2@89.7,12.25 ; C17.2@89.7,12.35 C17.2@89.7,12.25
  Component Side w2.5: HB-PWR1.2@87.873,6.1 87.873,3.327 89.5,1.7 96.2,1.7 97.873,3.373 HB-OUT1.2@97.873,6.1
  Power Plane w2.5: HB-PWR1.2@87.873,6.1 87.873,3.327 89.5,1.7 96.2,1.7 97.873,3.373 HB-OUT1.2@97.873,6.1
X_CS: U2.65 U6.18 | length 19.1
  Component Side w0.2: v1(9.906,57.848) 11.303,57.848 11.646,57.505 U6.18@11.646,56.245
  Power Plane w0.2: v1(5.4,43.75) 6.95,45.3 6.95,54.892 v1(9.906,57.848)
X_DIR: U2.64 U6.41 | length 1.1
  Component Side w0.2: 14.046,43.704 U6.41@14.046,44.845
X_MOT_1A: U6.5 U6.6 U6.10 U6.11 X-MOTOR.3 X-MOTOR.4 | length 19.3
  Component Side w1.5: X-MOTOR.4@13.706,60.228 X-MOTOR.3@13.706,62.668
  Solder Side w1.5: X-MOTOR.3@13.706,62.768 X-MOTOR.3@13.706,62.668 X-MOTOR.4@13.706,60.128 13.706,59.128 16.256,56.578 16.256,54.356 14.554,52.654 v2(14.554,51.752) v2(14.554,50.736) v2(14.554,49.72) v2(14.554,48.704) v2(14.554,47.654)
  other v2: 14.554,52.752
X_MOT_1B: U6.2 U6.3 U6.7 U6.8 X-MOTOR.1 X-MOTOR.2 | length 20.6
  Component Side w1.5: X-MOTOR.2@16.246,60.228 X-MOTOR.1@16.246,62.668
  Solder Side w1.5: X-MOTOR.1@16.246,62.768 X-MOTOR.1@16.246,62.668 X-MOTOR.2@16.246,60.128 16.246,59.001 20.254,54.992 v2(20.254,51.623) v2(20.254,50.623) v2(20.254,49.593) v2(20.254,48.45) v2(20.254,47.307) v2(20.254,46.254)
X_MOT_2A: U6.26 U6.27 U6.31 U6.32 X-MOTOR.5 X-MOTOR.6 | length 26
  Component Side w1.5: X-MOTOR.6@11.166,60.228 X-MOTOR.5@11.166,62.668
  Solder Side w1.5: v2(4.654,46.254) 10.885,46.254 12.004,47.373 12.004,58.544 11.166,59.382 X-MOTOR.6@11.166,60.128 X-MOTOR.5@11.166,62.668 X-MOTOR.5@11.166,62.768
  other v2: 4.654,47.254 4.654,48.254 4.654,49.254 4.654,50.254 4.654,51.254
X_MOT_2B: U6.23 U6.24 U6.28 U6.29 X-MOTOR.7 X-MOTOR.8 | length 12.3
  Component Side w1.5: X-MOTOR.8@8.626,60.228 X-MOTOR.7@8.626,62.668
  Solder Side w1.5: 6.858,53.657 6.858,58.46 8.576,60.178 8.626,60.228 X-MOTOR.7@8.626,62.668 X-MOTOR.7@8.626,62.768
  other v2: 9.779,48.276 9.779,49.276 9.779,50.276 9.779,51.276 9.779,52.276 9.779,53.276
X_STEP: U2.63 U6.42 | length 0.8
  Component Side w0.2: 14.846,44.024 U6.42@14.846,44.845
X_STOP: R51.1 U2.41 | length 14.2
  Component Side w0.2: 23.7,57.6 23.7,58.5
  Solder Side w0.2: 23.7,57.6 23.7,45.6 24.6,44.7
  other v1: 21.7,57.6
Y_CS: U2.58 U7.18 Y-AUX.3 | length 21.9
  Component Side w0.2: v1(30.65,54.927) 30.673,54.95 31.75,54.95 32.188,55.388 U7.18@32.188,56.245
  Power Plane w0.2: 25.2,42.42 25.2,45.2 23.9,46.5 23.9,54.05 24.777,54.927 v1(30.65,54.927)
Y_DIR: U2.57 U7.41 Y-AUX.2
Y_MOT_1A: U7.5 U7.6 U7.10 U7.11 Y-MOTOR.3 Y-MOTOR.4 | length 19.3
  Component Side w1.5: Y-MOTOR.4@34.248,60.228 Y-MOTOR.3@34.248,62.668
  Solder Side w1.5: Y-MOTOR.3@34.248,62.768 Y-MOTOR.3@34.248,62.668 Y-MOTOR.4@34.248,60.128 34.248,59.128 36.798,56.578 36.798,54.356 35.096,52.654 v2(35.096,51.752) v2(35.096,50.736) v2(35.096,49.72) v2(35.096,48.704) v2(35.096,47.654)
  other v2: 35.096,52.752
Y_MOT_1B: U7.2 U7.3 U7.7 U7.8 Y-MOTOR.1 Y-MOTOR.2 | length 20.6
  Component Side w1.5: Y-MOTOR.2@36.788,60.228 Y-MOTOR.1@36.788,62.668
  Solder Side w1.5: Y-MOTOR.1@36.788,62.768 Y-MOTOR.1@36.788,62.668 Y-MOTOR.2@36.788,60.128 36.788,59.001 40.796,54.992 v2(40.796,51.623) v2(40.796,50.623) v2(40.796,49.593) v2(40.796,48.45) v2(40.796,47.307) v2(40.796,46.254)
Y_MOT_2A: U7.26 U7.27 U7.31 U7.32 Y-MOTOR.5 Y-MOTOR.6 | length 26
  Component Side w1.5: Y-MOTOR.6@31.708,60.228 Y-MOTOR.5@31.708,62.668
  Solder Side w1.5: v2(25.196,46.254) 31.427,46.254 32.546,47.373 32.546,58.544 31.708,59.382 Y-MOTOR.6@31.708,60.128 Y-MOTOR.5@31.708,62.668 Y-MOTOR.5@31.708,62.768
  other v2: 25.196,47.254 25.196,48.254 25.196,49.254 25.196,50.254 25.196,51.254
Y_MOT_2B: U7.23 U7.24 U7.28 U7.29 Y-MOTOR.7 Y-MOTOR.8 | length 12.3
  Component Side w1.5: Y-MOTOR.8@29.168,60.228 Y-MOTOR.7@29.168,62.668
  Solder Side w1.5: 27.4,53.657 27.4,58.46 29.118,60.178 29.168,60.228 Y-MOTOR.7@29.168,62.668 Y-MOTOR.7@29.168,62.768
  other v2: 30.321,48.276 30.321,49.276 30.321,50.276 30.321,51.276 30.321,52.276 30.321,53.276
Y_STEP: U2.56 U7.42 Y-AUX.1
Y_STOP: R53.1 U2.40 | length 12.9
  Component Side w0.2: v1(42.25,57.6) R53.1@42.25,58.5
  Solder Side w0.2: 42.25,45.55 v1(42.25,57.6)
Z_CS: U2.55 U8.18 Z-AUX.3 | length 18.9
  Component Side w0.2: v1@51.215,54.95 52.292,54.95 52.73,55.388 U8.18@52.73,56.245
  Power Plane w0.2: 42.1,45.18 42.1,54.1 42.927,54.927 ; 44.927,54.927 v1(51.192,54.927)
Z_DIR: U2.47 U8.41 Z-AUX.2 | length 0.6
  Component Side w0.2: U8.41@55.13,44.296 U8.41@55.13,44.845
  Component Side w0.25: U8.41@55.138,44.845 U8.41@55.138,44.854
Z_MOT_1A: U8.5 U8.6 U8.10 U8.11 Z-MOTOR.3 Z-MOTOR.4 | length 19.3
  Component Side w1.5: Z-MOTOR.4@54.79,60.228 Z-MOTOR.3@54.79,62.668
  Solder Side w1.5: Z-MOTOR.3@54.79,62.768 Z-MOTOR.3@54.79,62.668 Z-MOTOR.4@54.79,60.128 54.79,59.128 57.34,56.578 57.34,54.356 55.638,52.654 v2(55.638,51.752) v2(55.638,50.736) v2(55.638,49.72) v2(55.638,48.704) v2(55.638,47.654)
  other v2: 55.638,52.752
Z_MOT_1B: U8.2 U8.3 U8.7 U8.8 Z-MOTOR.1 Z-MOTOR.2 | length 20.6
  Component Side w1.5: Z-MOTOR.2@57.33,60.228 Z-MOTOR.1@57.33,62.668
  Solder Side w1.5: Z-MOTOR.1@57.33,62.768 Z-MOTOR.1@57.33,62.668 Z-MOTOR.2@57.33,60.128 57.33,59.001 61.338,54.992 v2(61.338,51.623) v2(61.338,50.623) v2(61.338,49.593) v2(61.338,48.45) v2(61.338,47.307) v2(61.338,46.254)
Z_MOT_2A: U8.26 U8.27 U8.31 U8.32 Z-MOTOR.5 Z-MOTOR.6 | length 26
  Component Side w1.5: Z-MOTOR.6@52.25,60.228 Z-MOTOR.5@52.25,62.668
  Solder Side w1.5: v2(45.738,46.254) 51.969,46.254 53.088,47.373 53.088,58.544 52.25,59.382 Z-MOTOR.6@52.25,60.128 Z-MOTOR.5@52.25,62.668 Z-MOTOR.5@52.25,62.768
  other v2: 45.738,47.254 45.738,48.254 45.738,49.254 45.738,50.254 45.738,51.254
Z_MOT_2B: U8.23 U8.24 U8.28 U8.29 Z-MOTOR.7 Z-MOTOR.8 | length 12.3
  Component Side w1.5: Z-MOTOR.8@49.71,60.228 Z-MOTOR.7@49.71,62.668
  Solder Side w1.5: 47.942,53.657 47.942,58.46 49.66,60.178 49.71,60.228 Z-MOTOR.7@49.71,62.668 Z-MOTOR.7@49.71,62.768
  other v2: 50.863,48.276 50.863,49.276 50.863,50.276 50.863,51.276 50.863,52.276 50.863,53.276
Z_PROBE: PROBE.3 U2.29
  other v1: 63.3,36.613
Z_PROBEA: PROBE.4
Z_STEP: U2.46 U8.42 Z-AUX.1 | length 9.4
  Solder Side w0.2: 42.645,43.87 52.093,43.87
Z_STOP: R54.1 U2.39 | length 29.8
  Component Side w0.2: v1(62.8,57.6) R54.1@62.8,58.5
  Solder Side w0.2: 42.487,44.25 57.5,44.25 ; 61.5,44.25 62.8,45.55 v1(62.8,57.6)